# KiCad board 8851_HW-U1-VCU118_REV2-0_071417.kicad_pcb (continued)
## Routing (per net, layer and track width the routed paths; a pad name or vN(x,y) marks a point on that pad's centre or on a via; arc(x,y) is an arc through that point) (continued)
  05_SIG2 w0.287: 68.92,97.8 68.46,98.26 68.46,100.16 68.75,100.45 68.75,101.85 69.04,102.14 v3(69.32,102.14)
  14_SIG4 w0.087: 92.9,60.87 v2(93.74,60.87)
  14_SIG4 w0.155: 92.9,60.87 92.01,60.87 91.06,59.91 85.02,59.91 84.56,60.38 81.41,60.38 81.03,59.99 80.27,59.99 78.55,61.72 77.46,61.72 77.31,61.56 77.31,60.43 77.15,60.27 76.84,60.27 76.69,60.43 76.69,61.56 76.53,61.72 76.22,61.72 76.07,61.56 76.07,60.43 75.91,60.27 75.6,60.27 75.45,60.43 75.45,61.56 75.29,61.72 74.98,61.72 74.83,61.56 74.83,60.43 74.67,60.27 74.36,60.27 74.21,60.43 74.21,61.56 74.05,61.72 73.74,61.72 73.59,61.56 73.59,60.43 73.43,60.27 73.12,60.27 72.97,60.43 72.97,61.56 72.81,61.72 72.5,61.72 72.35,61.56 72.35,60.43 72.19,60.27 71.88,60.27 71.73,60.43 71.73,61.56 71.57,61.72 71.26,61.72 71.11,61.56 71.11,60.43 70.95,60.27 70.64,60.27 70.49,60.43 70.49,61.56 70.33,61.72 70.02,61.72 69.87,61.56 69.87,60.5 69.69,60.32 69.4,60.32 69.25,60.47 69.25,61.56 69.09,61.72 66.95,61.72 65.47,60.23 65.47,59.64 64.6,58.77 64.6,55.38 65.08,54.89 65.08,46.13 v1(69.64,41.58)
  20_SIG7 w0.087: v1(69.64,97.08) 70.04,96.68 70.04,93.65 69.25,92.86 69.25,89.12 68.91,88.79 68.91,88.31 69,88.23 69.31,88.23 69.4,88.14 69.4,87.88 69.31,87.79 69,87.79 68.91,87.7 68.91,87.08 69.25,86.75 69.25,83.6 v1(69.64,83.2) 70.03,82.81 70.03,69.72 v1(69.64,69.33) 70.04,68.93 70.04,66.49 68.46,64.91 68.46,61.45 69.64,60.27 69.64,59.83 69.47,59.66 68.61,59.66 68.44,59.49 68.44,59.15 68.61,58.98 69.47,58.98 69.64,58.81 v1(69.64,55.45) 70.03,55.06 70.03,52.53 68.46,50.95 68.46,49.73 68.28,49.54 67.05,49.54 66.56,49.05 66.56,45.45 69.64,42.36 v1(69.64,41.58)
  BOTTOM w0.15: 70.04,68.93 v1(69.64,69.33) ; 70.04,55.06 v1(69.64,55.45) ; 70.04,82.81 v1(69.64,83.2) ; 70.04,96.68 v1(69.64,97.08) ; 70.04,41.18 v1(69.64,41.58)
DDR4_C1_VREFA: length 5.5
  TOP w0.25: v1(70.43,34.49) 70.43,32.62 70.43,31.62 69.8,31.62 ; C559.1 v3(68.6,32.62)
  BOTTOM w0.375: 76.34,40.4 v1(76.73,40.79) ; 70.82,34.88 v1(70.43,34.49)
DDR4_C1_VREFB: length 4.6
  TOP w0.25: v1(70.43,62.24) 70.43,60.37 70.43,59.37 69.8,59.37
  BOTTOM w0.375: 70.82,62.63 v1(70.43,62.24) ; 76.34,68.15 v1(76.73,68.54)
DDR4_C1_VREFC: length 3.5
  TOP w0.375: v1(70.43,89.99) 70.43,89.85 70.01,89.43 C699.1 70.01,88.37 69.38,88.37
  BOTTOM w0.375: 70.82,90.38 v1(70.43,89.99) ; 76.34,95.9 v1(76.73,96.29)
DDR4_C1_VREFD: length 4.6
  TOP w0.25: 69.8,73.25 70.43,73.25 70.43,74.25 v1(70.43,76.11)
  BOTTOM w0.375: 76.34,82.02 v1(76.73,82.41) ; 70.82,76.51 v1(70.43,76.11)
DDR4_C1_VREFE: length 5.5
  TOP w0.25: C557.1 v3(68.6,46.5) ; v1(70.43,48.36) 70.43,46.5 70.43,45.5 69.8,45.5
  BOTTOM w0.375: 70.82,48.76 v1(70.43,48.36) ; 76.34,54.27 v1(76.73,54.66)
DDR4_C1_VTERM_0V60_PGOOD: length 266
  TOP w0.138: Q17.1 v3(204.43,152.7)
  TOP w0.15: 59.97,86.16 59.27,86.16 v3(59,86.42) 58.6,86.42 58.48,86.3 R389.2
  TOP w0.25: U24.9 62.16,87.14 v3(61.91,87.39)
  03_SIG1 w0.17: v3(59,86.42) 59.02,86.45 59.02,87.58 61.1,89.65 61.1,93.9 62.54,95.34 62.54,123.81 60.81,125.54 60.81,130.73 59.94,131.59 59.94,134.98 59.03,135.9 59.03,137.02 59.42,137.42 59.42,143.26 58.81,143.88 57.68,143.88 53.19,148.37 53.19,152.96 v3(53.61,153.38)
  20_SIG7 w0.087: v3(53.61,153.38) 50.33,156.67 49.18,156.67 47.57,158.28 47.57,164.12 49.33,165.87 53.17,165.87 56.21,168.92 56.63,168.92 57.01,169.29 57.01,169.61 57.37,169.98 174.19,169.98 175.72,168.44 175.72,155.08 177.64,153.16 197.99,153.16 198.44,153.61 203.51,153.61 v3(204.43,152.7)
DDR4_C1_VTERM_EN: length 4.4
  TOP w0.15: R388.2 58.88,87.42 59.16,87.14 59.97,87.14
  TOP w0.25: 64.38,85.92 63.76,85.92 63.52,86.16 U24.7
  TOP w0.375: 64.38,85.92 v3(65.17,85.92)
DDR4_C1_VTERM_REFOUT: length 6.6
  TOP w0.15: 59.97,87.63 59.39,87.63 58.48,88.55 58.12,88.55 ; U24.6 62.87,85.1 v3(63.4,84.56) 63.77,84.93 64.38,84.93 64.38,83.79
  BOTTOM w0.15: 63.12,85.2 63.12,84.85 v3(63.4,84.56)
DDR4_C1_VTT: length 21.1
  TOP w0.25: 81.55,100.5 81.55,98.38 81.96,97.96 83.38,97.96
  TOP w0.375: J65.1 63.5,95.23 ; J65.1 62.45,94.17 ; J65.1 62.71,93.38 ; J65.1 64.55,94.17 ; J65.1 64.29,93.38 ; J65.1 62.71,94.97 ; J65.1 64.29,94.97 ; J65.1 63.5,93.12 ; v3(58.41,89.34) 59.17,89.34 C517.1 59.17,90.21 v3(58.41,90.21) ; v3(58.41,92.32) 59.17,92.32 C516.1 59.17,91.44 v3(58.41,91.44)
  BOTTOM w0.375: v3(58.41,92.32) 59.17,92.32 C516.1 59.17,91.44 v3(58.41,91.44)
DDR4_C1_ZQA: length 2.8
  TOP w0.25: 75.63,42.28 75.63,41.88 v1(75.94,41.58) ; v1(74.37,41.58) 74.65,41.86 R386.1
  BOTTOM w0.15: 75.55,41.18 v1(75.94,41.58)
  BOTTOM w0.375: 73.97,41.18 v1(74.37,41.58)
  vias: v1(70.43,36.06)
DDR4_C1_ZQB: length 1.4
  TOP w0.25: v1(75.94,69.33) 75.63,69.63 75.63,70.03
  BOTTOM w0.15: 75.55,68.93 v1(75.94,69.33)
  vias: v1(70.43,63.81)
DDR4_C1_ZQC: length 1.4
  TOP w0.15: 75.63,97.78 75.63,97.38 v1(75.94,97.08)
  BOTTOM w0.15: 75.55,96.68 v1(75.94,97.08)
  vias: v1(70.43,91.56)
DDR4_C1_ZQD: length 1.4
  TOP w0.25: v1(75.94,83.2) 75.63,83.51 75.63,83.91
  BOTTOM w0.15: 75.55,82.81 v1(75.94,83.2)
  vias: v1(70.43,77.69)
DDR4_C1_ZQE: length 1.4
  TOP w0.25: 75.63,56.16 75.63,55.76 v1(75.94,55.45)
  BOTTOM w0.15: 75.55,55.06 v1(75.94,55.45)
  vias: v1(70.43,49.94)
DDR4_C2_A0: length 171
  TOP w0.15: 162.95,32.29 v1(163.34,32.68) ; 162.95,46.42 v1(163.34,46.81) ; 162.95,60.29 v1(163.34,60.68) ; v2(125.23,68.74) 124.74,68.25 ; 162.95,74.17 v1(163.34,74.56) ; 162.95,88.04 v1(163.34,88.43)
  05_SIG2 w0.17: v2(125.23,68.74) 125.23,68.48 124.74,67.99 124.74,65.59 125.36,64.96 125.77,64.96 126.71,64.03 126.71,63.62 127,63.33 127.41,63.33 127.69,63.04 127.69,62.63 127.98,62.35 128.39,62.35 128.68,62.06 128.68,61.65 128.97,61.36 129.37,61.36 129.66,61.07 129.66,60.67 129.95,60.38 130.36,60.38 130.65,60.09 130.65,59.68 130.93,59.39 131.34,59.39 131.63,59.1 131.63,58.7 131.92,58.41 132.33,58.41 132.62,58.12 132.62,57.71 132.9,57.42 133.31,57.42 133.6,57.14 133.6,56.73 133.89,56.44 134.3,56.44 134.58,56.15 134.58,55.74 134.87,55.46 135.28,55.46 135.57,55.17 135.57,54.76 135.86,54.47 136.26,54.47 136.55,54.18 136.55,53.78 136.84,53.49 137.25,53.49 137.54,53.2 137.54,52.79 137.82,52.5 138.23,52.5 138.52,52.21 138.52,51.81 138.81,51.52 139.26,51.52 140.42,50.36 ; v1(163.34,32.68) 162.95,32.29 162.95,31.66 162.8,31.5 162.31,31.5 162.16,31.36 162.16,29.98 162.48,29.66 162.94,29.66
  05_SIG2 w0.287: 140.42,50.36 141.72,49.05 141.72,40.42 140.31,39 140.31,33.24 140.76,32.79 140.76,31.47 142.04,30.19 142.04,29.61 143.16,28.49 143.44,28.49 144.53,27.4 145.66,27.4 145.99,27.07 148.57,27.07 148.75,26.9 148.75,26.72 148.9,26.56 149.21,26.56 149.37,26.72 149.37,26.9 149.52,27.05 149.83,27.05 149.99,26.9 149.99,26.72 150.14,26.56 150.45,26.56 150.61,26.72 150.61,26.9 150.86,27.14 151.85,27.14 152.41,26.59 153.53,26.59 154.37,27.43 155.43,27.43 156.63,26.24 157.62,26.24 159.67,24.19 163.15,24.19 163.44,24.48 163.44,27.24 163.69,27.5 164.05,27.5 164.3,27.24 164.3,24.48 164.51,24.27 164.8,24.27 165.51,24.98 165.51,27.76 163.61,29.66 162.94,29.66
  14_SIG4 w0.087: v1(163.34,32.68) 162.95,33.08 162.95,33.53 162.83,33.65 162.73,33.65 162.6,33.78 162.6,34.14 162.73,34.27 162.83,34.27 162.95,34.39 162.95,40.98 162.72,41.21 162.72,42.43 162.95,42.67 162.95,46.42 v1(163.34,46.81) 162.95,47.2 162.95,53.15 163.07,53.27 163.07,55.6 162.95,55.72 162.95,60.29 v1(163.34,60.68) 162.95,61.08 162.95,66.02 162.72,66.25 162.72,71.22 162.95,71.44 162.95,74.16 v1(163.34,74.56) 162.95,74.96 162.95,82.64 162.66,82.92 162.66,84.33 162.95,84.62 162.95,88.04 v1(163.34,88.43) 162.95,88.83 162.95,93.69 163.14,93.88
  14_SIG4 w0.155: v3(163.65,100.01) 163.65,98.05 164.43,97.28 164.43,96.27 163.91,95.75 163.91,94.65 163.14,93.88
  BOTTOM w0.275: 163.65,98.92 v3(163.65,100.01)
DDR4_C2_A1: length 174.8
  TOP w0.15: v2(124.25,68.74) 123.76,68.25 ; 162.95,63.44 v1(163.34,63.05) ; 162.95,91.19 v1(163.34,90.8) ; 162.95,35.44 v1(163.34,35.05) ; 162.95,49.57 v1(163.34,49.17) ; 162.95,77.32 v1(163.34,76.92)
  03_SIG1 w0.17: 131.46,41.61 131.63,41.78 131.63,47.38 131.42,47.58 130.84,47.58 130.65,47.78 130.65,58.12 130.36,58.41 129.95,58.41 129.66,58.7 129.66,59.1 129.37,59.39 128.97,59.39 128.68,59.68 128.68,60.09 128.39,60.38 127.98,60.38 127.69,60.67 127.69,61.07 127.41,61.36 127,61.36 126.71,61.65 126.71,62.06 126.42,62.35 126.01,62.35 125.73,62.63 125.73,64.03 125.44,64.31 125.03,64.31 123.76,65.59 123.76,68.25 v2(124.25,68.74)
  03_SIG1 w0.287: 131.46,41.61 131.36,41.51 131.36,28.46 134.72,25.1 140.52,25.1 141.5,26.08 142.02,26.08 142.45,25.65 143.03,25.65 143.55,25.12 143.55,24.55 145.54,22.56 148.88,22.56 149.58,21.85 155.66,21.85 156.22,22.42 157.32,22.42 157.69,22.79 163.63,22.79 165.39,24.55 165.39,33.01 v1(163.34,35.05)
  05_SIG2 w0.17: 164.1,93.88 163.74,93.52 163.74,91.19 v1(163.34,90.8) 163.74,90.4 163.74,82.85 163.54,82.66 163.54,79.74 163.74,79.55 163.74,77.32 v1(163.34,76.92) 163.74,76.53 163.74,70.76 163.91,70.59 163.91,69.34 163.54,68.96 163.54,67.37 163.74,67.17 163.74,63.44 v1(163.34,63.05) 163.74,62.65 163.74,56.83 163.96,56.61 163.96,55.01 163.56,54.61 163.56,52.49 163.74,52.31 163.74,49.57 v1(163.34,49.17) 163.74,48.78 163.74,43.9 163.89,43.75 163.99,43.75 164.14,43.6 164.14,43.39 163.99,43.24 163.89,43.24 163.74,43.09 163.74,42.88 163.89,42.73 163.99,42.73 164.14,42.58 164.14,42.37 163.99,42.22 163.89,42.22 163.74,42.07 163.74,41.86 163.89,41.71 163.99,41.71 164.14,41.56 164.14,41.35 163.99,41.2 163.89,41.2 163.74,41.05 163.74,40.82 163.48,40.56 163.48,40.41 163.33,40.27 163.08,40.27 162.94,40.12 162.94,39.9 163.08,39.76 163.33,39.76 163.48,39.61 163.48,38.85 163.74,38.59 163.74,35.67 163.34,35.28 v1(163.34,35.05)
  05_SIG2 w0.287: 164.1,93.88 164.5,94.28 164.5,97 163.01,98.49 163.01,100.4 163.41,100.8 163.41,101.43 v3(161.53,103.31)
  BOTTOM w0.275: 161.53,102.67 v3(161.53,103.31)
DDR4_C2_A2: length 176.9
  TOP w0.15: 163.74,88.04 v1(164.13,88.43) ; v2(127.2,67.76) 126.71,67.27 ; 163.74,74.17 v1(164.13,74.56) ; 163.74,60.29 v1(164.13,60.68) ; 163.74,46.42 v1(164.13,46.81) ; 163.74,32.29 v1(164.13,32.68)
  03_SIG1 w0.17: v2(127.2,67.76) 126.71,68.25 126.42,68.25 126.01,68.25 125.73,67.96 125.73,67.55 125.44,67.27 125.03,67.27 124.74,66.98 124.74,65.45 125.42,64.77 125.97,64.77 126.71,64.04 126.71,62.63 127,62.35 127.41,62.35 127.69,62.06 127.69,61.65 127.98,61.36 128.39,61.36 128.68,61.07 128.68,60.67 128.97,60.38 129.37,60.38 129.66,60.09 129.66,59.68 129.95,59.39 130.36,59.39 130.65,59.1 130.65,58.7 130.93,58.41 131.34,58.41 131.63,58.12 131.63,47.87 131.93,47.58 132.39,47.58 132.62,47.35 132.62,41.89 132.37,41.65 ; v1(164.13,32.68) 164.53,32.29 164.53,29.74
  03_SIG1 w0.287: 164.53,29.74 164.53,28.9 164.27,28.65 163.49,28.65 163.23,28.39 163.23,28.04 163.49,27.78 164.27,27.78 164.53,27.53 164.53,27.17 164.27,26.92 163.25,26.92 163,26.66 163,25.26 163.23,25.03 163.53,25.03 163.74,25.24 163.74,25.93 163.86,26.05 164.27,26.05 164.53,25.8 164.53,24.71 163.27,23.45 157.83,23.45 157.75,23.53 155.81,23.53 155.32,23.04 154.76,23.04 154.56,22.84 149.7,22.84 148.44,24.1 145.4,24.1 145.03,24.47 145.03,24.8 143.4,26.43 142.72,26.43 142.27,26.88 141.25,26.88 140.14,25.77 135,25.77 132.09,28.67 132.09,41.37 132.37,41.65
  14_SIG4 w0.087: 165.37,89.67 v1(164.13,88.43) 164.52,88.04 164.52,74.95 v1(164.13,74.56) 164.52,74.17 164.52,61.08 v1(164.13,60.68) 164.52,60.29 164.52,54.03 164.52,54.02 164.52,53.66 164.52,53.66 164.52,47.2 v1(164.13,46.81) 164.52,46.42 164.52,43.68 164.9,43.31 164.9,42.55 164.52,42.18 164.52,33.82 164.13,33.43 v1(164.13,32.68)
  14_SIG4 w0.155: v3(163.65,103.31) 163.65,102.73 164.69,101.7 165.27,101.7 166.07,100.9 166.07,98.9 166.22,98.75 166.22,95.58 165.37,94.73 165.37,89.68 165.37,89.67
  BOTTOM w0.275: 163.65,102.67 v3(163.65,103.31)
DDR4_C2_A3: length 173
  TOP w0.15: 162.16,35.44 v1(162.56,35.05) ; 162.16,63.44 v1(162.56,63.05) ; 162.16,77.32 v1(162.56,76.92) ; v2(127.2,66.77) 126.71,66.28 ; 162.16,49.57 v1(162.56,49.17) ; 162.16,91.19 v1(162.56,90.8)
  03_SIG1 w0.17: 162.04,29.65 162.56,29.65 162.95,30.04 162.95,34.01 162.56,34.41 v1(162.56,35.05) ; 134.07,41.56 134.58,42.07 134.58,47.3 134.3,47.58 133.89,47.58 133.6,47.88 133.6,58.12 133.31,58.41 132.9,58.41 132.62,58.7 132.62,59.1 132.33,59.39 131.92,59.39 131.63,59.68 131.63,60.09 131.34,60.38 130.94,60.38 130.65,60.67 130.65,61.07 130.36,61.36 129.95,61.36 129.66,61.65 129.66,62.06 129.37,62.35 128.97,62.35 128.68,62.63 128.68,64.03 127.47,65.23 127.07,65.23 126.71,65.59 126.71,66.28 v2(127.2,66.77)
  03_SIG1 w0.287: 134.07,41.56 133.57,41.05 133.57,33.24 134.05,32.76 134.05,32.06 133.74,31.75 133.74,31.35 133.97,31.12 134.37,31.12 135.06,31.81 139.12,31.81 139.4,31.52 139.4,31.24 139.16,31 135.2,31 134.93,30.73 134.93,28.37 135.21,28.08 135.62,28.08 135.81,28.27 135.81,29.53 136.06,29.78 136.54,29.78 137.04,30.28 139.44,30.28 139.82,30.66 140.46,30.66 140.76,30.37 140.76,29.58 140.39,29.21 140.39,28.68 140.76,28.31 142.45,28.31 142.75,28.61 143.48,28.61 144.94,27.15 146.37,27.15 146.67,26.85 146.67,26.4 146.96,26.11 147.35,26.11 147.53,26.29 147.53,26.95 147.73,27.15 148.21,27.15 148.45,26.92 148.45,26.4 148.74,26.11 149.64,26.11 150.55,25.2 150.87,25.2 151.1,24.97 156.34,24.97 157.97,26.6 160.7,26.6 161.1,27.01 161.1,28.72 162.04,29.65
  05_SIG2 w0.17: v1(162.56,35.05) 162.28,35.05 162.16,35.17 162.16,39.21 161.93,39.44 161.93,39.85 162.21,40.13 162.21,40.48 161.9,40.79 161.9,41.03 162.16,41.3 162.16,41.54 161.9,41.81 161.9,42.05 162.16,42.32 162.16,42.81 162.1,42.87 161.78,42.87 161.67,42.99 161.67,43.16 161.75,43.25 162.18,43.25 162.27,43.34 162.27,43.54 162.18,43.63 161.83,43.63 161.73,43.73 161.73,43.91 161.82,44.01 162.08,44.01 162.16,44.09 162.16,48.78 v1(162.56,49.17) 162.04,49.69 162.04,55.22 162.16,55.34 162.16,62.65 v1(162.56,63.05) 161.9,63.7 161.9,71.57 162.16,71.83 162.16,76.53 v1(162.56,76.92) 162.16,77.32 162.16,90.4 v1(162.56,90.8) 162.15,91.21 162.15,93.39 162.43,93.67 162.43,93.88
  05_SIG2 w0.287: 162.43,93.88 162.43,94.98 160.53,96.87 160.53,98.91 v3(159.9,99.53)
  BOTTOM w0.275: 159.9,98.92 v3(159.9,99.53)
DDR4_C2_A4: length 179.3
  TOP w0.15: 162.16,32.29 v1(162.56,32.68) ; 162.16,74.17 v1(162.56,74.56) ; 162.16,46.42 v1(162.56,46.81) ; 162.16,88.04 v1(162.56,88.43) ; v2(126.22,69.73) 125.73,69.24 ; 162.16,60.29 v1(162.56,60.68)
  05_SIG2 w0.17: v2(126.22,69.73) 126.71,69.24 126.71,67.55 126.42,67.27 126.01,67.27 125.73,66.98 125.73,65.59 126.77,64.55 127.17,64.55 127.69,64.03 127.69,63.62 127.98,63.33 128.39,63.33 128.68,63.04 128.68,62.63 128.97,62.35 129.37,62.35 129.66,62.06 129.66,61.65 129.95,61.36 130.36,61.36 130.65,61.07 130.65,60.67 130.93,60.38 131.34,60.38 131.63,60.09 131.63,59.68 131.92,59.39 132.33,59.39 132.62,59.1 132.62,58.7 132.9,58.41 133.31,58.41 133.6,58.12 133.6,57.71 133.89,57.42 134.3,57.42 134.58,57.14 134.58,56.73 134.87,56.44 135.28,56.44 135.57,56.15 135.57,55.74 135.86,55.46 136.26,55.46 136.55,55.17 136.55,54.76 136.84,54.47 137.25,54.47 137.54,54.18 137.54,53.78 137.82,53.49 138.23,53.49 138.52,53.2 138.52,52.79 138.81,52.5 139.3,52.5 140.38,51.42 ; v1(162.56,32.68) 162.16,32.29 161.49,32.29 161.38,32.18 161.38,30.16 161.38,29.41
  05_SIG2 w0.287: 161.38,29.41 161.82,28.97 163.35,28.97 163.51,28.81 163.51,28.27 163.31,28.07 161.28,28.07 161.09,27.88 161.09,27.23 161.44,26.88 162.48,26.88 162.78,26.59 162.78,25.23 162.4,24.85 161.68,24.85 161.43,25.11 161.43,25.93 161.16,26.19 160.81,26.19 160.57,25.95 160.57,25.11 160.31,24.85 160.02,24.85 156.49,28.38 155.78,28.38 155.59,28.19 152.04,28.19 151.72,27.88 150.97,27.88 150.86,27.98 150.86,28.44 150.7,28.6 150.39,28.6 150.24,28.44 150.24,28.18 150.1,28.04 149.79,28.04 149.62,28.22 149.62,28.84 149.44,29.02 149.13,29.02 149,28.88 149,28.1 148.82,27.93 148.56,27.93 148.38,28.11 148.38,28.84 148.2,29.02 147.9,29.02 147.76,28.87 147.76,28.04 147.58,27.87 147.32,27.87 147.14,28.05 147.14,28.84 146.96,29.02 146.65,29.02 146.52,28.88 146.52,28.26 146.38,28.12 146.07,28.12 145.9,28.29 145.9,28.79 145.74,28.95 145.39,28.95 145.28,28.83 145.28,28.46 145.01,28.2 144.74,28.2 144.06,28.88 144.06,29.34 142.45,30.95 142.45,32.46 141.15,33.77 141.15,38.87 142.39,40.11 142.39,49.41 140.38,51.42
  07_SIG3 w0.17: v1(162.56,32.68) 162.16,33.08 162.16,36 162.39,36.23 162.72,36.23 162.95,36.46 162.95,37.78 162.01,38.71 162.01,38.97 162.16,39.12 162.16,39.53 161.87,39.82 161.87,40.04 162.16,40.33 162.16,40.55 161.87,40.84 161.87,41.06 162.16,41.35 162.16,41.57 161.87,41.86 161.87,42.08 162.16,42.37 162.16,43.19 162.01,43.33 161.89,43.33 161.74,43.48 161.74,43.7 161.89,43.84 162.01,43.84 162.16,43.99 162.16,46.42 v1(162.56,46.81) 162.15,47.22 162.15,53.11 162.09,53.17 162.09,55.25 162.16,55.33 162.16,60.29 v1(162.56,60.68) 162.56,61.17 162.16,61.57 162.16,74.17 v1(162.56,74.56) 162.16,74.95 162.16,87.81 162.56,88.2 v1(162.56,88.43)
  14_SIG4 w0.087: v1(162.56,88.43) 162.56,89.57 162.16,89.97 162.16,93.88
  14_SIG4 w0.155: 162.16,93.88 162.16,94.28 161.78,94.65 161.78,101.56 159.75,103.59 159.75,103.6 159.33,104.02 158.73,104.02 v3(158.02,103.31)
  BOTTOM w0.275: v3(158.02,103.31) 157.78,103.07 157.78,102.67
DDR4_C2_A5: length 173.3
  TOP w0.15: 162.95,91.98 v1(163.34,92.37) ; 162.95,78.1 v1(163.34,78.5) ; 162.95,50.35 v1(163.34,50.75) ; v2(125.23,69.73) 124.74,69.24 ; 162.95,36.23 v1(163.34,36.62) ; 162.95,64.23 v1(163.34,64.62)
  03_SIG1 w0.17: 163.74,93.88 163.74,92.77 v1(163.34,92.37) 162.95,91.98 162.95,85.32 162.66,85.02 162.66,82.72 162.95,82.42 162.95,78.89 v1(163.34,78.5) 162.95,78.1 162.95,71.34 162.75,71.14 162.75,66.43 162.95,66.22 162.95,65.02 v1(163.34,64.62) 162.95,64.23 162.95,55.72 163.12,55.56 163.12,52.3 162.95,52.14 162.95,51.14 v1(163.34,50.75) 162.95,50.35 162.95,44.02 163.58,43.39 163.58,43.01 163.73,42.86 163.97,42.86 164.12,42.71 164.12,42.5 163.97,42.35 163.8,42.35 163.65,42.2 163.65,41.99 163.8,41.84 163.99,41.84 164.14,41.69 164.14,41.48 163.99,41.33 163.73,41.33 163.58,41.18 163.58,39.32 163.73,39.17 163.92,39.17 164.07,39.02 164.07,38.81 163.92,38.66 163.73,38.66 163.58,38.51 163.58,38.34 163.41,38.17 163.12,38.17 162.95,38 162.95,37.02 v1(163.34,36.62)
  03_SIG1 w0.287: 163.74,93.88 163.74,95.02 161.74,97.02 161.74,100.21 162.14,100.61 162.14,102.68 v3(162.78,103.31)
  07_SIG3 w0.17: v1(163.34,36.62) 163.34,36.4 162.95,36.01 162.95,30.95 163.18,30.72 163.51,30.72 163.74,30.49 163.74,29.98 ; 137.65,41.71 137.65,42.3 137.56,42.38 137.56,43.46 137.38,43.64 136.92,43.64 136.61,43.95 136.61,46.37 136.34,46.64 135.78,46.64 135.56,46.86 135.56,47.31 135.31,47.56 134.73,47.56 134.57,47.72 134.57,48.32 134.3,48.59 133.72,48.59 133.57,48.74 133.57,49.25 133.28,49.54 132.75,49.54 132.58,49.72 132.58,50.35 132.36,50.57 131.86,50.57 131.6,50.83 131.6,51.35 131.41,51.55 130.84,51.55 130.64,51.75 130.64,63.96 130.21,64.39 130.03,64.39 129.24,65.19 129.18,65.19 128.68,65.69 128.68,66.1 128.46,66.32 127.87,66.32 127.69,66.49 127.69,67.07 127.51,67.25 126.9,67.25 126.68,67.47 126.68,68.04 126.48,68.24 125.92,68.24 125.73,68.43 125.73,69.24 v2(125.23,69.73)
  07_SIG3 w0.287: 163.74,29.98 163.74,27.32 163.03,26.61 161.05,26.61 160.67,26.99 159.16,26.99 159,27.14 159,27.51 158.8,27.71 158.49,27.71 158.34,27.56 158.34,27.14 158.18,26.99 157.87,26.99 157.72,27.14 157.72,27.56 157.56,27.71 157.25,27.71 157.1,27.56 157.1,27.14 156.94,26.99 155.61,26.99 155.22,27.38 154.12,27.38 153.65,26.9 152.06,26.9 151.21,27.75 149.03,27.75 148.66,27.37 148.42,27.37 148.2,27.59 148.2,27.79 148.62,28.22 148.62,28.42 147.57,29.48 145.33,29.48 145.15,29.29 144.83,29.29 144.66,29.47 144.66,30.43 143.77,31.32 143.77,33.15 142.56,34.36 142.21,34.36 141.45,33.61 141.09,33.61 140.84,33.86 140.84,34.22 141.6,34.97 141.6,35.33 141.34,35.58 140.99,35.58 140.23,34.83 139.87,34.83 139.62,35.08 139.62,35.44 140.38,36.19 140.38,36.55 140.12,36.8 139.77,36.8 139.01,36.05 138.65,36.05 138.4,36.3 138.4,36.66 139.16,37.41 139.16,37.77 138.9,38.02 138.55,38.02 137.79,37.27 137.43,37.27 137.18,37.52 137.18,37.88 137.94,38.63 137.94,38.99 137.65,39.28 137.65,41.71
  BOTTOM w0.275: 162.78,102.67 v3(162.78,103.31)
DDR4_C2_A6: length 191
  TOP w0.15: 162.95,31.5 v1(163.34,31.11) ; 162.95,87.25 v1(163.34,86.86) ; 162.95,59.5 v1(163.34,59.11) ; 162.95,45.63 v1(163.34,45.24) ; v2(127.2,69.73) 126.71,69.24 ; 162.95,73.38 v1(163.34,72.99)
  05_SIG2 w0.17: v1(163.34,31.11) 163.34,31.34 163.74,31.74 163.74,33.21 163.57,33.38 163.11,33.38 162.86,33.12 162.26,33.12 162.01,33.38 161.41,33.38 161.16,33.12 160.56,33.12 160.31,33.38 159.71,33.38 159.46,33.12 158.86,33.12 158.61,33.38 158.38,33.38 158.23,33.23 158.23,32.44 158.08,32.29 151.95,32.29 151.54,32.7 ; v2(127.2,69.73) 127.2,69.45 127.69,68.96 127.69,65.59 128.56,64.73 128.96,64.73 129.66,64.03 129.66,63.62 129.95,63.33 130.36,63.33 130.65,63.04 130.65,62.63 130.93,62.35 131.34,62.35 131.63,62.06 131.63,61.65 131.92,61.36 132.33,61.36 132.62,61.07 132.62,60.67 132.9,60.38 133.31,60.38 133.6,60.09 133.6,59.68 133.89,59.39 134.3,59.39 134.58,59.1 134.58,58.7 134.87,58.41 135.28,58.41 135.57,58.12 135.57,57.71 135.86,57.42 136.26,57.42 136.55,57.14 136.55,56.73 136.84,56.44 137.25,56.44 137.54,56.15 137.54,55.74 137.82,55.46 138.23,55.46 138.52,55.17 138.52,54.76 138.81,54.47 139.46,54.47 140.38,53.55
  05_SIG2 w0.287: 151.54,32.7 151.43,32.81 151.05,32.81 150.8,32.56 150.8,32.26 150.54,32.01 150.19,32.01 149.93,32.26 149.93,32.56 149.68,32.81 149.32,32.81 149.07,32.56 149.07,31.58 148.81,31.33 148.39,31.33 148.13,31.59 148.13,33.01 147.85,33.28 147.54,33.28 147.29,33.03 147.29,31.51 147.06,31.28 146.74,31.28 146.44,31.57 146.44,32.64 146.19,32.9 145.02,32.9 144.78,32.65 144.78,32.17 144.95,32 145.1,32 145.28,31.82 145.28,31.1 144.92,30.75 144.53,30.75 143.94,31.34 143.94,33.26 143.78,33.42 143.78,33.64 144.03,33.9 144.03,34.09 143.81,34.31 143.57,34.31 143.34,34.08 143.12,34.08 142.82,34.37 142.82,34.71 144.53,36.42 144.53,36.62 144.37,36.78 144.14,36.78 143.06,35.71 142.73,35.71 142.52,35.92 142.52,38.21 143.97,39.66 143.97,41 144.1,41.12 144.48,41.12 144.63,41.28 144.63,41.53 144.48,41.68 143.88,41.68 143.72,41.84 143.72,42.15 143.88,42.3 144.5,42.3 144.66,42.46 144.66,42.77 144.5,42.92 143.88,42.92 143.72,43.08 143.72,43.39 143.88,43.54 144.5,43.54 144.66,43.7 144.66,44.01 144.5,44.16 143.88,44.16 143.72,44.32 143.72,44.63 143.88,44.78 144.5,44.78 144.66,44.94 144.66,45.25 144.5,45.4 143.88,45.4 143.72,45.56 143.72,45.87 143.88,46.02 144.5,46.02 144.66,46.18 144.66,46.49 144.5,46.64 143.88,46.64 143.72,46.8 143.72,47.11 143.88,47.26 144.5,47.26 144.66,47.42 144.66,47.73 144.5,47.88 143.88,47.88 143.72,48.04 143.72,48.35 143.88,48.5 144.5,48.5 144.66,48.66 144.66,48.97 144.5,49.12 143.88,49.12 143.72,49.28 143.72,49.59 143.97,49.84 143.97,50.2 143.81,50.36 143.57,50.36 140.38,53.55
  14_SIG4 w0.087: 164.15,93.88 163.74,93.46 163.74,87.25 v1(163.34,86.86) 163.74,86.47 163.74,82.59 163.63,82.48 163.63,80.22 163.74,80.11 163.74,73.38 v1(163.34,72.99) 163.74,72.59 163.74,68.76 163.42,68.44 163.42,66.61 163.74,66.29 163.74,59.5 v1(163.34,59.11) 163.74,58.72 163.74,57.52 163.91,57.34 163.91,54.79 163.63,54.51 163.63,52.96 163.74,52.86 163.74,45.63 v1(163.34,45.24) 163.74,44.84 163.74,40.91 163.55,40.73 163.55,39.77 163.74,39.58 163.74,33.04 163.74,31.71 163.34,31.32 v1(163.34,31.11)
  14_SIG4 w0.155: v3(156.35,99.52) 156.35,101.07 155.77,101.65 155.77,104.08 156.42,104.73 161.02,104.73 162.15,103.6 162.15,102.8 163.92,101.02 164.25,101.02 165.03,100.25 165.03,97.92 165.12,97.83 165.12,95.82 164.63,95.33 164.63,94.36 164.15,93.88
  BOTTOM w0.275: 156.15,98.92 156.35,99.12 v3(156.35,99.52)
DDR4_C2_A7: length 171.3
  TOP w0.15: 163.74,50.35 v1(164.13,50.75) ; 163.74,64.23 v1(164.13,64.62) ; 163.74,91.98 v1(164.13,92.37) ; v2(127.2,68.74) 126.71,68.25 ; 163.74,78.1 v1(164.13,78.5) ; 163.74,36.23 v1(164.13,36.62)
  03_SIG1 w0.17: v1(164.13,36.62) 163.74,36.23 162.39,36.23 162.16,36 162.16,30.95 161.93,30.72 161.61,30.72 161.38,30.49 161.38,30.12 161.08,29.82 ; v2(127.2,68.74) 127.69,68.25 127.69,65.59 128.57,64.72 128.97,64.72 129.66,64.03 129.66,62.63 129.95,62.35 130.36,62.35 130.65,62.06 130.65,61.65 130.94,61.36 131.34,61.36 131.63,61.07 131.63,60.67 131.92,60.38 132.33,60.38 132.62,60.09 132.62,59.68 132.9,59.39 133.31,59.39 133.6,59.1 133.6,58.7 133.89,58.41 134.3,58.41 134.58,58.12 134.58,47.87 134.87,47.58 135.29,47.58 135.57,47.3 135.57,41.99 134.74,41.16
  03_SIG1 w0.287: 161.08,29.82 160.35,29.09 160.35,27.64 160.07,27.37 159.68,27.37 159.52,27.52 159.52,28.16 159.37,28.31 158.97,28.31 158.81,28.16 158.81,27.46 158.66,27.31 158.32,27.31 158.16,27.47 158.16,28.16 158,28.31 157.6,28.31 157.44,28.16 157.44,27.2 155.97,25.72 155.4,25.72 154.9,26.22 154.26,26.22 153.7,25.66 153.22,25.66 152.99,25.89 152.99,26.15 152.8,26.34 152.27,26.34 152.05,26.12 152.05,25.87 151.84,25.66 151.55,25.66 151.28,25.93 150.91,25.93 148.94,27.9 145.17,27.9 143.7,29.37 143.7,31.03 143.47,31.26 143.11,31.26 142.89,31.05 142.89,30.15 142.66,29.92 142.27,29.92 141.99,30.21 141.99,30.58 141.7,30.86 141.24,30.86 140.93,31.18 140.93,31.58 141.05,31.71 142.31,31.71 142.57,31.98 142.57,32.42 142.11,32.89 139.84,32.89 139.45,32.5 135.37,32.5 134.28,33.59 134.28,36.68 134.53,36.92 135,36.92 135.28,36.64 135.28,36.2 135.57,35.91 135.98,35.91 136.22,36.15 136.22,37.48 135.99,37.71 134.64,37.71 134.28,38.07 134.28,40.7 134.74,41.16
  07_SIG3 w0.17: v1(164.13,36.62) 164.53,37.02 164.53,38.61 163.43,39.71 163.43,40.14 163.74,40.45 163.74,40.8 163.89,40.95 163.96,40.95 164.11,41.1 164.11,41.31 163.96,41.46 163.89,41.46 163.74,41.61 163.74,41.82 163.89,41.97 163.96,41.97 164.11,42.12 164.11,42.33 163.96,42.48 163.89,42.48 163.74,42.63 163.74,43.16 163.59,43.31 163.47,43.31 163.32,43.46 163.32,43.67 163.47,43.82 163.59,43.82 163.74,43.97 163.74,50.35 v1(164.13,50.75) 163.74,51.14 163.74,52.22 163.57,52.39 163.57,55.01 164.03,55.46 164.03,57.67 163.74,57.95 163.74,64.23 v1(164.13,64.62) 163.74,65.02 163.74,67.15 163.53,67.36 163.53,68.45 163.74,68.66 163.74,78.1 v1(164.13,78.5) 163.74,78.89 163.74,81.07 163.47,81.33 163.47,81.89 163.74,82.16 163.74,91.98 v1(164.13,92.37) 163.74,92.77 163.74,93.88
  07_SIG3 w0.287: 163.74,93.88 163.74,95.05 161.78,97.02 161.78,97.85 161.15,98.47 v3(161.15,99.56)
  BOTTOM w0.275: 161.15,98.92 v3(161.15,99.56)
